# Altium PCB UmTRXv2.PcbDoc (part 18 of 25) (continued)
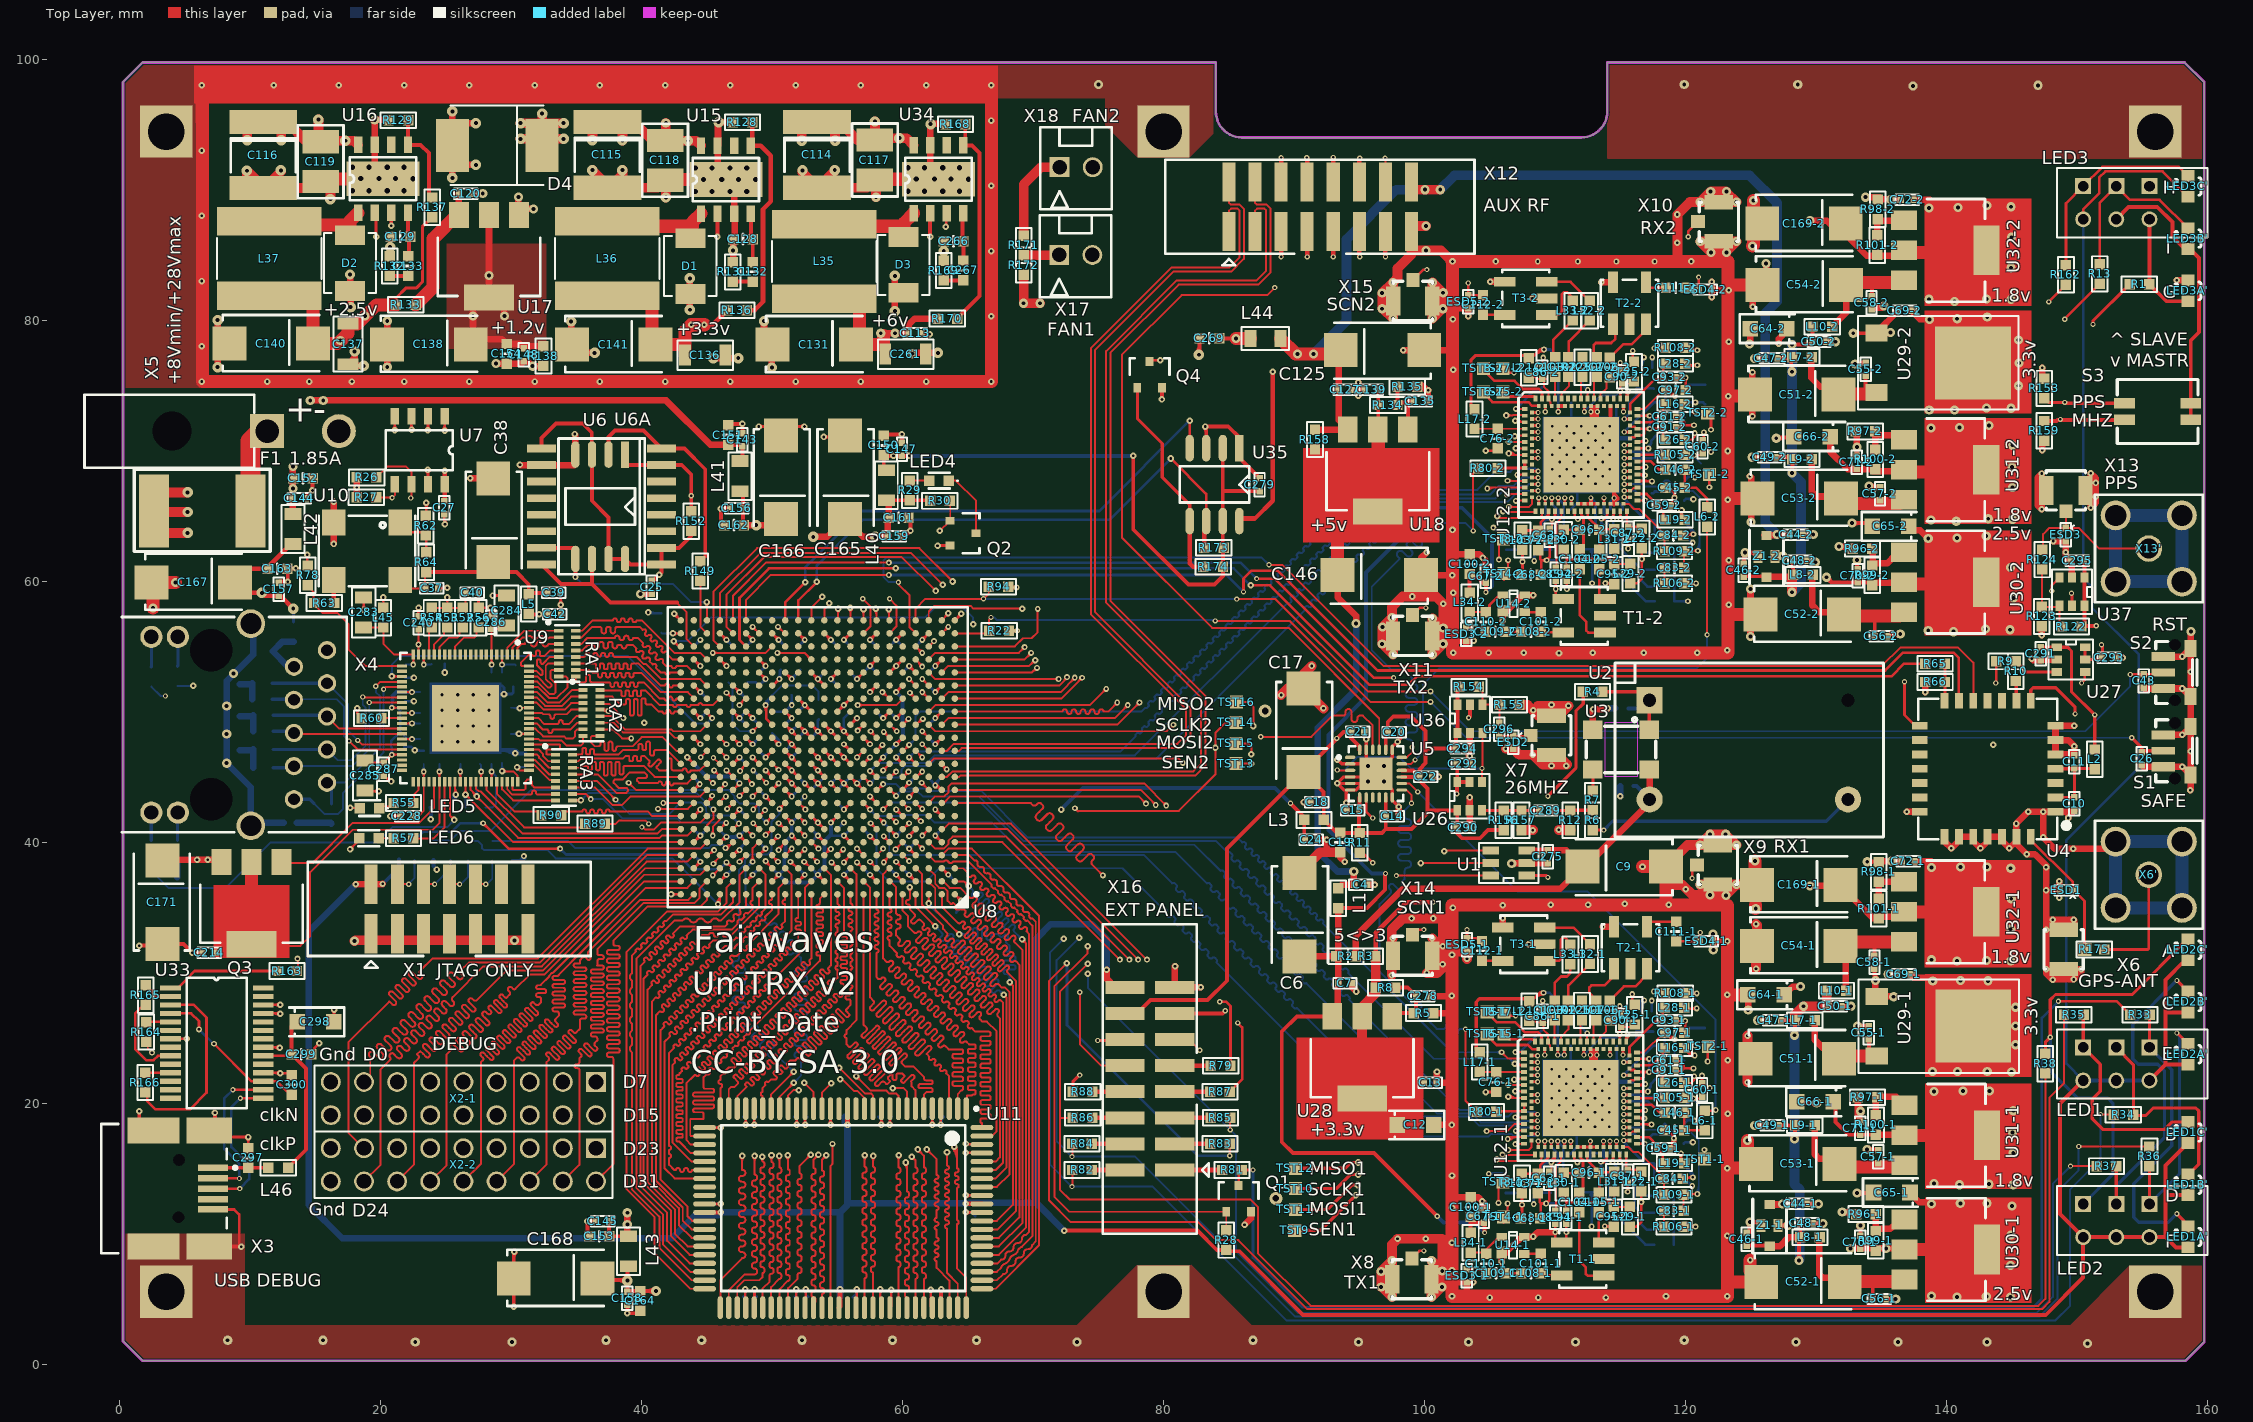
[diagram p0: Top Layer view]
## Nets (pads, with @x,y where several pads share a name; then routed paths per layer and width w, separated by ;. In a path a pad name is that pad's centre, name@x,y a point inside that pad or via, vN(x,y) a via of type N, cw(c..) or ccw(c..) an arc to the next point about the centre after c; other vN are vias at no path point) (continued)
RAM_D24: U8.F13 U11.12 | length 46.9
  Top Layer w0.15: U8.F13@52,41 v2(52.5,40.5) ; 52.299,40.689 ccw(c52.553,40.757) v2(52.5,40.5) ; 52.311,40.701 cw(c52.243,40.447) v2(52.5,40.5) ; v2@52.325,40.5 ccw(c51.903,40.5) 52.201,40.799 ccw(c52.5,41.097) v2@52.5,40.675 ; v1(55.15,22.705) 57.128,20.728 57.419,20.728 57.421,20.725 57.6,20.725 57.725,20.6 U11.12@57.725,19.575 ; 52.244,40.756 cw(c51.988,40.5) 52.35,40.5 ccw(c51.988,40.5) 52.244,40.756 ; 52.244,40.756 ccw(c52.5,41.012) 52.5,40.65 cw(c52.5,41.012) 52.244,40.756 ; v2(52.5,40.5) ccw(c52.17,40.409) 52.259,40.74 cw(c52.17,40.409) v2(52.5,40.5) ; v2(52.5,40.5) cw(c52.591,40.83) 52.26,40.741 ccw(c52.591,40.83) v2(52.5,40.5)
  Mid-Layer 2 w0.15: v2@52.5,40.325 cw(c52.5,39.903) 52.799,40.201 cw(c53.097,40.5) v2@52.675,40.5 ; v1(55.15,22.705) 55.15,23.706 55.369,23.925 ccw(c55.369,24.15) 55.594,24.15 ccw(c55.369,24.15) 55.369,24.375 54.931,24.375 cw(c54.931,24.6) 54.706,24.6 cw(c54.931,24.6) 54.931,24.825 55.369,24.825 ccw(c55.369,25.05) 55.594,25.05 ccw(c55.369,25.05) 55.369,25.275 54.931,25.275 cw(c54.931,25.5) 54.706,25.5 cw(c54.931,25.5) 54.931,25.725 55.369,25.725 ccw(c55.369,25.95) 55.594,25.95 ccw(c55.369,25.95) 55.369,26.175 54.931,26.175 cw(c54.931,26.4) 54.706,26.4 cw(c54.931,26.4) 54.931,26.625 55.369,26.625 ccw(c55.369,26.85) 55.594,26.85 ccw(c55.369,26.85) 55.369,27.075 54.931,27.075 cw(c54.931,27.3) 54.706,27.3 cw(c54.931,27.3) 54.931,27.525 55.369,27.525 ccw(c55.369,27.75) 55.594,27.75 ccw(c55.369,27.75) 55.369,27.975 54.931,27.975 cw(c54.931,28.2) 54.706,28.2 cw(c54.931,28.2) 54.931,28.425 55.369,28.425 ccw(c55.369,28.65) 55.594,28.65 ccw(c55.369,28.65) 55.369,28.875 54.931,28.875 cw(c54.931,29.1) 54.706,29.1 cw(c54.931,29.1) 54.931,29.325 55.369,29.325 ccw(c55.369,29.55) 55.594,29.55 ccw(c55.369,29.55) 55.369,29.775 54.931,29.775 cw(c54.931,30) 54.706,30 cw(c54.931,30) 54.931,30.225 55.369,30.225 ccw(c55.369,30.45) 55.594,30.45 ccw(c55.369,30.45) 55.369,30.675 54.931,30.675 cw(c54.931,30.9) 54.706,30.9 cw(c54.931,30.9) 54.931,31.125 55.369,31.125 ccw(c55.369,31.35) 55.594,31.35 ccw(c55.369,31.35) 55.369,31.575 54.931,31.575 cw(c54.931,31.8) 54.706,31.8 cw(c54.931,31.8) 54.931,32.025 55.369,32.025 ccw(c55.369,32.25) 55.594,32.25 ccw(c55.369,32.25) 55.369,32.475 54.931,32.475 cw(c54.931,32.7) 54.706,32.7 cw(c54.931,32.7) 54.931,32.925 55.369,32.925 ccw(c55.369,33.15) 55.594,33.15 ccw(c55.369,33.15) 55.369,33.375 54.931,33.375 cw(c54.931,33.6) 54.706,33.6 cw(c54.931,33.6) 54.931,33.825 55.375,33.825 ccw(c55.375,34.05) 55.6,34.05 ccw(c55.375,34.05) 55.375,34.275 cw(c55.375,34.5) 55.15,34.5 55.15,34.85 52.95,37.05 52.95,40.05 v2(52.5,40.5) ; v2(52.5,40.5) ccw(c52.83,40.591) 52.741,40.26 cw(c52.83,40.591) v2(52.5,40.5) ; v2(52.5,40.5) cw(c52.409,40.17) 52.74,40.259 ccw(c52.409,40.17) v2(52.5,40.5) ; 52.756,40.244 cw(c53.012,40.5) 52.65,40.5 ccw(c53.012,40.5) 52.756,40.244 ; 52.756,40.244 ccw(c52.5,39.988) 52.5,40.35 cw(c52.5,39.988) 52.756,40.244
RAM_D25: U8.G13 U11.13 | length 47
  Top Layer w0.15: U8.G13@52,42 v2(52.5,41.5) ; 52.299,41.689 ccw(c52.553,41.757) v2(52.5,41.5) ; 52.311,41.701 cw(c52.243,41.447) v2(52.5,41.5) ; v2@52.325,41.5 ccw(c51.903,41.5) 52.201,41.799 ccw(c52.5,42.097) v2@52.5,41.675 ; v1(55.225,21.825) 55.38,21.825 56.28,20.925 56.55,20.925 57.075,20.4 U11.13@57.075,19.575 ; 52.244,41.756 cw(c51.988,41.5) 52.35,41.5 ccw(c51.988,41.5) 52.244,41.756 ; 52.244,41.756 ccw(c52.5,42.012) 52.5,41.65 cw(c52.5,42.012) 52.244,41.756 ; v2(52.5,41.5) ccw(c52.17,41.409) 52.259,41.74 cw(c52.17,41.409) v2(52.5,41.5) ; v2(52.5,41.5) cw(c52.591,41.83) 52.26,41.741 ccw(c52.591,41.83) v2(52.5,41.5)
  Mid-Layer 2 w0.15: v2@52.325,41.5 cw(c51.903,41.5) 52.201,41.201 cw(c52.5,40.903) v2@52.5,41.325 ; v1(55.225,21.825) 54.628,22.422 cw(c54.521,22.529) 54.414,22.636 ccw(c54.307,22.743) 54.2,22.85 54,23.05 54,23.6 53.825,23.775 cw(c53.825,24) 53.6,24 cw(c53.825,24) 53.825,24.225 54.175,24.225 ccw(c54.175,24.45) 54.4,24.45 ccw(c54.175,24.45) 54.175,24.675 53.825,24.675 cw(c53.825,24.9) 53.6,24.9 cw(c53.825,24.9) 53.825,25.125 54.175,25.125 ccw(c54.175,25.35) 54.4,25.35 ccw(c54.175,25.35) 54.175,25.575 53.825,25.575 cw(c53.825,25.8) 53.6,25.8 cw(c53.825,25.8) 53.825,26.025 54.175,26.025 ccw(c54.175,26.25) 54.4,26.25 ccw(c54.175,26.25) 54.175,26.475 53.825,26.475 cw(c53.825,26.7) 53.6,26.7 cw(c53.825,26.7) 53.825,26.925 54.175,26.925 ccw(c54.175,27.15) 54.4,27.15 ccw(c54.175,27.15) 54.175,27.375 53.825,27.375 cw(c53.825,27.6) 53.6,27.6 cw(c53.825,27.6) 53.825,27.825 54.175,27.825 ccw(c54.175,28.05) 54.4,28.05 ccw(c54.175,28.05) 54.175,28.275 53.825,28.275 cw(c53.825,28.5) 53.6,28.5 cw(c53.825,28.5) 53.825,28.725 54.175,28.725 ccw(c54.175,28.95) 54.4,28.95 ccw(c54.175,28.95) 54.175,29.175 53.825,29.175 cw(c53.825,29.4) 53.6,29.4 cw(c53.825,29.4) 53.825,29.625 54.175,29.625 ccw(c54.175,29.85) 54.4,29.85 ccw(c54.175,29.85) 54.175,30.075 53.825,30.075 cw(c53.825,30.3) 53.6,30.3 cw(c53.825,30.3) 53.825,30.525 54.175,30.525 ccw(c54.175,30.75) 54.4,30.75 ccw(c54.175,30.75) 54.175,30.975 53.825,30.975 cw(c53.825,31.2) 53.6,31.2 cw(c53.825,31.2) 53.825,31.425 54.175,31.425 ccw(c54.175,31.65) 54.4,31.65 ccw(c54.175,31.65) 54.175,31.875 53.825,31.875 cw(c53.825,32.1) 53.6,32.1 cw(c53.825,32.1) 53.825,32.325 54.175,32.325 ccw(c54.175,32.55) 54.4,32.55 ccw(c54.175,32.55) 54.175,32.775 53.825,32.775 cw(c53.825,33) 53.6,33 cw(c53.825,33) 53.825,33.225 54.175,33.225 ccw(c54.175,33.45) 54.4,33.45 ccw(c54.175,33.45) 54.175,33.675 53.825,33.675 cw(c53.825,33.9) 53.6,33.9 cw(c53.825,33.9) 53.825,34.125 54.175,34.125 ccw(c54.175,34.35) 54.4,34.35 ccw(c54.175,34.35) 54.175,34.575 cw(c54.175,34.75) 54,34.75 54,35.2 51.95,37.25 51.95,40.95 v2(52.5,41.5) ; 52.244,41.244 cw(c52.5,40.988) 52.5,41.35 ccw(c52.5,40.988) 52.244,41.244 ; 52.244,41.244 ccw(c51.988,41.5) 52.35,41.5 cw(c51.988,41.5) 52.244,41.244 ; v2(52.5,41.5) ccw(c52.591,41.17) 52.26,41.259 cw(c52.591,41.17) v2(52.5,41.5) ; v2(52.5,41.5) cw(c52.17,41.591) 52.259,41.26 ccw(c52.17,41.591) v2(52.5,41.5)
RAM_D26: U8.C6 U11.1 | length 40.5
  Top Layer w0.15: U8.C6@59,38 58.95,38 58.5,37.55 58.5,31.1 58.75,30.85 ccw(c58.862,30.962) 58.973,30.85 58.985,30.862 cw(c59.109,30.738) 59.233,30.862 cw(c59.109,30.738) 59.233,30.615 59.109,30.491 58.985,30.367 ccw(c59.109,30.243) 58.985,30.12 ccw(c59.109,30.243) 59.233,30.12 59.48,30.367 cw(c59.604,30.243) 59.728,30.367 cw(c59.604,30.243) 59.728,30.12 59.48,29.872 ccw(c59.604,29.748) 59.48,29.625 ccw(c59.604,29.748) 59.728,29.625 59.975,29.872 cw(c60.099,29.748) 60.223,29.872 cw(c60.099,29.748) 60.223,29.625 59.975,29.377 ccw(c60.099,29.254) 59.975,29.13 ccw(c60.099,29.254) 60.223,29.13 60.47,29.377 cw(c60.594,29.254) 60.718,29.377 cw(c60.594,29.254) 60.718,29.13 60.47,28.882 ccw(c60.594,28.759) 60.47,28.635 ccw(c60.594,28.759) 60.718,28.635 60.965,28.882 cw(c61.089,28.759) 61.213,28.882 cw(c61.089,28.759) 61.213,28.635 60.965,28.387 ccw(c61.089,28.264) 60.965,28.14 ccw(c61.089,28.264) 61.213,28.14 61.46,28.387 cw(c61.584,28.264) 61.708,28.387 cw(c61.584,28.264) 61.708,28.14 61.46,27.892 ccw(c61.584,27.769) 61.46,27.645 ccw(c61.584,27.769) 61.708,27.645 61.955,27.892 cw(c62.079,27.769) 62.203,27.892 cw(c62.079,27.769) 62.203,27.645 61.955,27.397 ccw(c62.079,27.274) 61.955,27.15 ccw(c62.079,27.274) 62.203,27.15 62.45,27.397 cw(c62.574,27.274) 62.698,27.397 cw(c62.574,27.274) 62.698,27.15 62.574,27.026 62.45,26.902 ccw(c62.574,26.779) 62.45,26.655 ccw(c62.574,26.779) 62.698,26.655 62.945,26.902 cw(c63.069,26.779) 63.193,26.902 cw(c63.069,26.779) 63.193,26.655 62.945,26.407 ccw(c63.069,26.284) 62.945,26.16 ccw(c63.069,26.284) 63.193,26.16 63.44,26.407 cw(c63.564,26.284) 63.688,26.407 cw(c63.564,26.284) 63.688,26.16 63.44,25.912 ccw(c63.564,25.789) 63.44,25.665 ccw(c63.564,25.789) 63.688,25.665 63.935,25.912 cw(c64.059,25.789) 64.183,25.912 cw(c64.059,25.789) 64.183,25.665 63.935,25.417 ccw(c64.059,25.294) 63.935,25.17 ccw(c64.059,25.294) 64.183,25.17 64.43,25.417 cw(c64.554,25.294) 64.678,25.417 cw(c64.554,25.294) 64.678,25.17 64.43,24.922 ccw(c64.554,24.799) 64.43,24.675 ccw(c64.554,24.799) 64.678,24.675 cw(c64.801,24.551) 64.925,24.675 65.1,24.5 65.477,24.5 cw(c65.477,24.377) 65.6,24.377 65.6,24.272 cw(c65.477,24.272) 65.477,24.15 65.122,24.15 ccw(c65.122,24.027) 65,24.027 65,23.922 ccw(c65.122,23.922) 65.122,23.8 65.477,23.8 cw(c65.477,23.677) 65.6,23.677 65.6,23.572 cw(c65.477,23.572) 65.477,23.45 65.122,23.45 ccw(c65.122,23.327) 65,23.327 65,23.222 ccw(c65.122,23.222) 65.122,23.1 65.477,23.1 cw(c65.477,22.977) 65.6,22.977 65.6,22.872 cw(c65.477,22.872) 65.477,22.75 65.122,22.75 ccw(c65.122,22.627) 65,22.627 65,22.522 ccw(c65.122,22.522) 65.122,22.4 65.477,22.4 cw(c65.477,22.277) 65.6,22.277 65.6,22.172 cw(c65.477,22.172) 65.477,22.05 65.122,22.05 ccw(c65.122,21.927) 65,21.927 65,21.822 ccw(c65.122,21.822) 65.122,21.7 65.477,21.7 cw(c65.477,21.577) 65.6,21.577 65.6,21.472 cw(c65.477,21.472) 65.477,21.35 65.122,21.35 ccw(c65.122,21.227) 65,21.227 65,21.122 ccw(c65.122,21.122) 65.122,21 65.477,21 cw(c65.477,20.877) 65.6,20.877 65.6,20.772 cw(c65.477,20.772) 65.477,20.65 65.422,20.65 ccw(c65.422,20.528) 65.355,20.63 65.325,20.6 64.925,20.6 64.925,19.625 U11.1@64.875,19.575
RAM_D27: U8.E14 U11.18 | length 46.1
  Top Layer w0.15: v2@50.5,39.575 ccw(c50.5,39.756) 50.628,39.628 ; v2@50.56,39.538 ccw(c50.608,39.65) 50.687,39.556 ccw(c50.766,39.462) v2@50.646,39.434 ; v2@50.675,39.4 cw(c51.339,39.4) U8.E14@50.869,39.869 ; 50.717,39.648 cw(c50.355,39.745) v2(50.5,39.4) ; U8.E14@51,40 50.5,39.5 v2(50.5,39.4) ; U11.18@53.825,19.575 53.825,20.825 v1(54.525,21.525) ; v2(50.5,39.4) ccw(c50.302,39.827) 50.757,39.705 cw(c50.302,39.827) v2(50.5,39.4) ; v2@50.65,39.4 cw(c51.254,39.4) 50.827,39.827 ccw(c51.254,39.4) v2@50.65,39.4
  Mid-Layer 2 w0.15: v2@50.5,39.225 cw(c50.5,38.803) 50.799,39.101 cw(c51.097,39.4) v2@50.675,39.4 ; v1(54.525,21.525) 53.536,22.514 ccw(c53.43,22.62) 53.324,22.726 53.112,22.938 ccw(c53.006,23.044) 52.9,23.15 52.5,23.55 52.5,24.012 52.713,24.225 ccw(c52.713,24.45) 52.938,24.45 ccw(c52.713,24.45) 52.713,24.675 52.286,24.675 cw(c52.286,24.9) 52.062,24.9 cw(c52.286,24.9) 52.286,25.125 52.713,25.125 ccw(c52.713,25.35) 52.938,25.35 ccw(c52.713,25.35) 52.713,25.575 52.286,25.575 cw(c52.286,25.8) 52.062,25.8 cw(c52.286,25.8) 52.286,26.025 52.713,26.025 ccw(c52.713,26.25) 52.938,26.25 ccw(c52.713,26.25) 52.713,26.475 52.286,26.475 cw(c52.286,26.7) 52.062,26.7 cw(c52.286,26.7) 52.286,26.925 52.713,26.925 ccw(c52.713,27.15) 52.938,27.15 ccw(c52.713,27.15) 52.713,27.375 52.286,27.375 cw(c52.286,27.6) 52.062,27.6 cw(c52.286,27.6) 52.286,27.825 52.713,27.825 ccw(c52.713,28.05) 52.938,28.05 ccw(c52.713,28.05) 52.713,28.275 52.287,28.275 cw(c52.287,28.5) 52.062,28.5 cw(c52.287,28.5) 52.287,28.725 52.713,28.725 ccw(c52.713,28.95) 52.938,28.95 ccw(c52.713,28.95) 52.713,29.175 52.287,29.175 cw(c52.287,29.4) 52.062,29.4 cw(c52.287,29.4) 52.287,29.625 52.713,29.625 ccw(c52.713,29.85) 52.938,29.85 ccw(c52.713,29.85) 52.713,30.075 52.287,30.075 cw(c52.287,30.3) 52.062,30.3 cw(c52.287,30.3) 52.287,30.525 52.713,30.525 ccw(c52.713,30.75) 52.938,30.75 ccw(c52.713,30.75) 52.713,30.975 52.287,30.975 cw(c52.287,31.2) 52.062,31.2 cw(c52.287,31.2) 52.287,31.425 52.713,31.425 ccw(c52.713,31.65) 52.938,31.65 ccw(c52.713,31.65) 52.713,31.875 52.287,31.875 cw(c52.287,32.1) 52.062,32.1 cw(c52.287,32.1) 52.287,32.325 52.713,32.325 ccw(c52.713,32.55) 52.938,32.55 ccw(c52.713,32.55) 52.713,32.775 52.287,32.775 cw(c52.287,33) 52.062,33 cw(c52.287,33) 52.287,33.225 52.713,33.225 ccw(c52.713,33.45) 52.938,33.45 ccw(c52.713,33.45) 52.713,33.675 52.287,33.675 cw(c52.287,33.9) 52.062,33.9 cw(c52.287,33.9) 52.287,34.125 52.713,34.125 ccw(c52.713,34.35) 52.938,34.35 ccw(c52.713,34.35) 52.713,34.575 52.287,34.575 cw(c52.287,34.8) 52.062,34.8 cw(c52.287,34.8) 52.287,35.025 52.725,35.025 ccw(c52.725,35.25) 52.95,35.25 ccw(c52.725,35.25) 52.725,35.475 cw(c52.725,35.7) 52.5,35.7 52.5,36.346 50.95,37.896 50.95,38.95 v2(50.5,39.4) ; v2(50.5,39.4) cw(c50.409,39.07) 50.74,39.159 ccw(c50.409,39.07) v2(50.5,39.4) ; v2(50.5,39.4) ccw(c50.83,39.491) 50.741,39.16 cw(c50.83,39.491) v2(50.5,39.4) ; 50.756,39.144 cw(c51.012,39.4) 50.65,39.4 ccw(c51.012,39.4) 50.756,39.144 ; 50.756,39.144 ccw(c50.5,38.888) 50.5,39.25 cw(c50.5,38.888) 50.756,39.144
RAM_D28: U8.F14 U11.19 | length 46.7
  Top Layer w0.15: v2@50.5,41.275 cw(c50.5,40.732) U8.F14@50.884,41.116 ; v2@50.675,41.45 ccw(c50.977,41.45) 50.763,41.237 ; 50.719,41.241 cw(c50.8,41.546) v2(50.5,41.45) ; U8.F14@51,41 50.55,41.45 v2(50.5,41.45) ; v1(52.45,21.55) 53.175,20.825 U11.19@53.175,19.575 ; v2(50.5,41.45) cw(c50.453,41.166) 50.731,41.241 ccw(c50.453,41.166) v2(50.5,41.45) ; v2(50.5,41.45) ccw(c50.877,41.591) 50.773,41.202 cw(c50.877,41.591) v2(50.5,41.45) ; v2@50.5,41.3 cw(c50.5,40.817) 50.841,41.159 ccw(c50.5,40.817) v2@50.5,41.3 ; v2@50.65,41.45 ccw(c50.891,41.45) 50.721,41.279 cw(c50.891,41.45) v2@50.65,41.45
  Mid-Layer 2 w0.15: v2@50.325,41.45 cw(c49.903,41.45) 50.201,41.151 cw(c50.5,40.853) v2@50.5,41.275 ; v2@50.6,41.45 v2(50.5,41.45) ; v1(52.45,21.55) 52.45,22.45 52.074,22.826 ccw(c51.968,22.932) 51.862,23.038 51.65,23.25 ccw(c51.544,23.356) 51.437,23.463 50.95,23.95 50.95,25 50.725,25.225 cw(c50.725,25.45) 50.5,25.45 cw(c50.725,25.45) 50.725,25.675 51.175,25.675 ccw(c51.175,25.9) 51.4,25.9 ccw(c51.175,25.9) 51.175,26.125 50.725,26.125 cw(c50.725,26.35) 50.5,26.35 cw(c50.725,26.35) 50.725,26.575 51.175,26.575 ccw(c51.175,26.8) 51.4,26.8 ccw(c51.175,26.8) 51.175,27.025 50.725,27.025 cw(c50.725,27.25) 50.5,27.25 cw(c50.725,27.25) 50.725,27.475 51.175,27.475 ccw(c51.175,27.7) 51.4,27.7 ccw(c51.175,27.7) 51.175,27.925 50.725,27.925 cw(c50.725,28.15) 50.5,28.15 cw(c50.725,28.15) 50.725,28.375 51.175,28.375 ccw(c51.175,28.6) 51.4,28.6 ccw(c51.175,28.6) 51.175,28.825 50.725,28.825 cw(c50.725,29.05) 50.5,29.05 cw(c50.725,29.05) 50.725,29.275 51.175,29.275 ccw(c51.175,29.5) 51.4,29.5 ccw(c51.175,29.5) 51.175,29.725 50.725,29.725 cw(c50.725,29.95) 50.5,29.95 cw(c50.725,29.95) 50.725,30.175 51.175,30.175 ccw(c51.175,30.4) 51.4,30.4 ccw(c51.175,30.4) 51.175,30.625 50.725,30.625 cw(c50.725,30.85) 50.5,30.85 cw(c50.725,30.85) 50.725,31.075 51.175,31.075 ccw(c51.175,31.3) 51.4,31.3 ccw(c51.175,31.3) 51.175,31.525 50.725,31.525 cw(c50.725,31.75) 50.5,31.75 cw(c50.725,31.75) 50.725,31.975 51.175,31.975 ccw(c51.175,32.2) 51.4,32.2 ccw(c51.175,32.2) 51.175,32.425 50.725,32.425 cw(c50.725,32.65) 50.5,32.65 cw(c50.725,32.65) 50.725,32.875 51.175,32.875 ccw(c51.175,33.1) 51.4,33.1 ccw(c51.175,33.1) 51.175,33.325 50.725,33.325 cw(c50.725,33.55) 50.5,33.55 cw(c50.725,33.55) 50.725,33.775 51.175,33.775 ccw(c51.175,34) 51.4,34 ccw(c51.175,34) 51.175,34.225 50.725,34.225 cw(c50.725,34.45) 50.5,34.45 cw(c50.725,34.45) 50.725,34.675 51.175,34.675 ccw(c51.175,34.9) 51.4,34.9 ccw(c51.175,34.9) 51.175,35.125 cw(c51.175,35.35) 50.95,35.35 50.95,35.75 49.95,36.75 49.95,40.9 v2(50.5,41.45) ; 50.244,41.194 cw(c50.5,40.938) 50.5,41.3 ccw(c50.5,40.938) 50.244,41.194 ; 50.244,41.194 ccw(c49.988,41.45) 50.35,41.45 cw(c49.988,41.45) 50.244,41.194 ; v2(50.5,41.45) ccw(c50.591,41.12) 50.26,41.209 cw(c50.591,41.12) v2(50.5,41.45) ; v2(50.5,41.45) cw(c50.17,41.541) 50.259,41.21 ccw(c50.17,41.541) v2(50.5,41.45)
RAM_D29: U8.F15 U11.22 | length 46.6
  Top Layer w0.15: v2@49.5,40.725 ccw(c49.5,41.268) U8.F15@49.884,40.884 ; v2@49.675,40.55 cw(c49.977,40.55) 49.763,40.763 ; 49.719,40.759 ccw(c49.8,40.454) v2(49.5,40.55) ; U8.F15@50,41 49.55,40.55 v2(49.5,40.55) ; U11.22@51.225,19.575 51.225,20.6 51.625,21 v1(52.025,21) ; v2(49.5,40.55) ccw(c49.453,40.834) 49.731,40.759 cw(c49.453,40.834) v2(49.5,40.55) ; v2(49.5,40.55) cw(c49.877,40.409) 49.773,40.798 ccw(c49.877,40.409) v2(49.5,40.55) ; v2@49.5,40.7 ccw(c49.5,41.183) 49.841,40.841 cw(c49.5,41.183) v2@49.5,40.7 ; v2@49.65,40.55 cw(c49.891,40.55) 49.721,40.721 ccw(c49.891,40.55) v2@49.65,40.55
  Mid-Layer 2 w0.15: v2@49.325,40.55 cw(c48.903,40.55) 49.201,40.251 cw(c49.5,39.953) v2@49.5,40.375 ; v1(52.025,21) 51.599,21 49.598,23.001 cw(c49.492,23.107) 49.386,23.213 49,23.599 49,24.757 49.218,24.975 ccw(c49.218,25.2) 49.443,25.2 ccw(c49.218,25.2) 49.218,25.425 48.782,25.425 cw(c48.782,25.65) 48.557,25.65 cw(c48.782,25.65) 48.782,25.875 49.218,25.875 ccw(c49.218,26.1) 49.443,26.1 ccw(c49.218,26.1) 49.218,26.325 48.782,26.325 cw(c48.782,26.55) 48.557,26.55 cw(c48.782,26.55) 48.782,26.775 49.218,26.775 ccw(c49.218,27) 49.443,27 ccw(c49.218,27) 49.218,27.225 48.782,27.225 cw(c48.782,27.45) 48.557,27.45 cw(c48.782,27.45) 48.782,27.675 49.218,27.675 ccw(c49.218,27.9) 49.443,27.9 ccw(c49.218,27.9) 49.218,28.125 48.782,28.125 cw(c48.782,28.35) 48.557,28.35 cw(c48.782,28.35) 48.782,28.575 49.218,28.575 ccw(c49.218,28.8) 49.443,28.8 ccw(c49.218,28.8) 49.218,29.025 48.782,29.025 cw(c48.782,29.25) 48.557,29.25 cw(c48.782,29.25) 48.782,29.475 49.218,29.475 ccw(c49.218,29.7) 49.443,29.7 ccw(c49.218,29.7) 49.218,29.925 48.782,29.925 cw(c48.782,30.15) 48.557,30.15 cw(c48.782,30.15) 48.782,30.375 49.218,30.375 ccw(c49.218,30.6) 49.443,30.6 ccw(c49.218,30.6) 49.218,30.825 48.782,30.825 cw(c48.782,31.05) 48.557,31.05 cw(c48.782,31.05) 48.782,31.275 49.218,31.275 ccw(c49.218,31.5) 49.443,31.5 ccw(c49.218,31.5) 49.218,31.725 48.782,31.725 cw(c48.782,31.95) 48.557,31.95 cw(c48.782,31.95) 48.782,32.175 49.218,32.175 ccw(c49.218,32.4) 49.443,32.4 ccw(c49.218,32.4) 49.218,32.625 48.782,32.625 cw(c48.782,32.85) 48.557,32.85 cw(c48.782,32.85) 48.782,33.075 49.218,33.075 ccw(c49.218,33.3) 49.443,33.3 ccw(c49.218,33.3) 49.218,33.525 48.782,33.525 cw(c48.782,33.75) 48.557,33.75 cw(c48.782,33.75) 48.782,33.975 49.218,33.975 ccw(c49.218,34.2) 49.443,34.2 ccw(c49.218,34.2) 49.218,34.425 48.782,34.425 cw(c48.782,34.65) 48.557,34.65 cw(c48.782,34.65) 48.782,34.875 49.218,34.875 ccw(c49.218,35.1) 49.443,35.1 ccw(c49.218,35.1) 49.224,35.325 ; 49.219,35.325 cw(c49.225,35.55) 49,35.55 49,40.05 v2(49.5,40.55) ; 49.219,35.325 cw(c49.218,35.1) 49.224,35.325 ; 49.219,35.325 ccw(c49.225,35.55) 49.224,35.325 ; 49.219,35.325 49.224,35.325 ; 49.244,40.294 cw(c49.5,40.038) 49.5,40.4 ccw(c49.5,40.038) 49.244,40.294 ; 49.244,40.294 ccw(c48.988,40.55) 49.35,40.55 cw(c48.988,40.55) 49.244,40.294 ; v2(49.5,40.55) ccw(c49.591,40.22) 49.26,40.309 cw(c49.591,40.22) v2(49.5,40.55) ; v2(49.5,40.55) cw(c49.17,40.641) 49.259,40.31 ccw(c49.17,40.641) v2(49.5,40.55)
RAM_D30: U8.E16 U11.23 | length 51.5
  Top Layer w0.15: v2@48.376,38.624 ccw(c48.078,38.922) 48.5,38.922 ccw(c48.922,38.922) v2@48.624,38.624 ; v2(48.5,38.5) 48.5,39.55 U8.E16@48.975,40.025 ; U11.23@50.575,19.575 50.575,20.475 v1(51.65,21.55) ; 48.5,38.862 cw(c48.138,38.862) 48.394,38.606 ccw(c48.138,38.862) 48.5,38.862 ; 48.5,38.862 ccw(c48.862,38.862) 48.606,38.606 cw(c48.862,38.862) 48.5,38.862 ; 51.351,21.251 cw(c51.65,20.953) v1@51.65,21.375 ; 51.351,21.251 ccw(c51.053,21.55) v1@51.475,21.55 ; 51.351,21.251 ccw(c51.053,21.55) v1@51.475,21.55 ; 51.351,21.251 cw(c51.65,20.953) v1@51.65,21.375 ; 51.351,21.251 ccw(c51.053,21.55) v1@51.475,21.55 ; 51.351,21.251 cw(c51.65,20.953) v1@51.65,21.375 ; 51.39,21.305 ccw(c51.306,21.62) v1@51.626,21.555 ; 51.39,21.305 ccw(c51.306,21.62) v1@51.626,21.555 ; 51.39,21.305 ccw(c51.306,21.62) v1@51.626,21.555 ; 51.405,21.29 cw(c51.72,21.206) v1@51.655,21.526 ; 51.405,21.29 cw(c51.72,21.206) v1@51.655,21.526 ; 51.405,21.29 cw(c51.72,21.206) v1@51.655,21.526
  Bottom Layer w0.15: v2@48.325,38.5 cw(c47.903,38.5) 48.201,38.201 cw(c48.5,37.903) v2@48.5,38.325 ; v1(51.65,21.55) 52.2,22.1 52.2,23.25 ccw(c51.975,23.25) 51.975,23.475 51.933,23.475 cw(c51.933,23.7) 51.708,23.7 cw(c51.933,23.7) 51.933,23.925 52.467,23.925 ccw(c52.467,24.15) 52.692,24.15 ccw(c52.467,24.15) 52.467,24.375 51.933,24.375 cw(c51.933,24.6) 51.708,24.6 cw(c51.933,24.6) 51.933,24.825 52.467,24.825 ccw(c52.467,25.05) 52.692,25.05 ccw(c52.467,25.05) 52.467,25.275 51.933,25.275 cw(c51.933,25.5) 51.708,25.5 cw(c51.933,25.5) 51.933,25.725 52.467,25.725 ccw(c52.467,25.95) 52.692,25.95 ccw(c52.467,25.95) 52.467,26.175 51.933,26.175 cw(c51.933,26.4) 51.708,26.4 cw(c51.933,26.4) 51.933,26.625 52.467,26.625 ccw(c52.467,26.85) 52.692,26.85 ccw(c52.467,26.85) 52.467,27.075 51.933,27.075 cw(c51.933,27.3) 51.708,27.3 cw(c51.933,27.3) 51.933,27.525 52.467,27.525 ccw(c52.467,27.75) 52.692,27.75 ccw(c52.467,27.75) 52.467,27.975 51.933,27.975 cw(c51.933,28.2) 51.708,28.2 cw(c51.933,28.2) 51.933,28.425 52.467,28.425 ccw(c52.467,28.65) 52.692,28.65 ccw(c52.467,28.65) 52.467,28.875 51.933,28.875 cw(c51.933,29.1) 51.708,29.1 cw(c51.933,29.1) 51.933,29.325 52.467,29.325 ccw(c52.467,29.55) 52.692,29.55 ccw(c52.467,29.55) 52.467,29.775 51.933,29.775 cw(c51.933,30) 51.708,30 cw(c51.933,30) 51.933,30.225 52.467,30.225 ccw(c52.467,30.45) 52.692,30.45 ccw(c52.467,30.45) 52.467,30.675 52.425,30.675 cw(c52.425,30.9) 52.2,30.9 52.2,31.15 51.882,31.468 ccw(c51.723,31.309) 51.564,31.468 51.534,31.439 cw(c51.375,31.598) 51.216,31.439 cw(c51.375,31.598) 51.216,31.757 51.405,31.945 51.593,32.134 ccw(c51.434,32.293) 51.593,32.452 ccw(c51.434,32.293) 51.275,32.452 51.086,32.264 50.898,32.075 cw(c50.739,32.234) 50.58,32.075 cw(c50.739,32.234) 50.58,32.393 50.768,32.582 50.957,32.77 ccw(c50.797,32.929) 50.957,33.089 ccw(c50.797,32.929) 50.638,33.089 50.45,32.9 50.261,32.712 cw(c50.102,32.871) 49.943,32.712 cw(c50.102,32.871) 49.943,33.03 50.132,33.218 50.32,33.407 ccw(c50.161,33.566) 50.32,33.725 ccw(c50.161,33.566) 50.002,33.725 49.973,33.696 cw(c49.814,33.855) 49.654,33.696 47.95,35.4 47.95,37.95 v2(48.5,38.5) ; 48.244,38.244 cw(c48.5,37.988) 48.5,38.35 ccw(c48.5,37.988) 48.244,38.244 ; 48.244,38.244 ccw(c47.988,38.5) 48.35,38.5 cw(c47.988,38.5) 48.244,38.244 ; v2(48.5,38.5) ccw(c48.591,38.17) 48.26,38.259 cw(c48.591,38.17) v2(48.5,38.5) ; v2(48.5,38.5) cw(c48.17,38.591) 48.259,38.26 ccw(c48.17,38.591) v2(48.5,38.5) ; v1@51.65,21.725 ccw(c51.65,22.147) 51.949,21.849 ; v1@51.65,21.725 ccw(c51.65,22.147) 51.949,21.849 ; v1@51.65,21.725 ccw(c51.65,22.147) 51.949,21.849 ; v1@51.825,21.55 cw(c52.247,21.55) 51.949,21.849 ; v1@51.825,21.55 cw(c52.247,21.55) 51.949,21.849 ; v1@51.825,21.55 cw(c52.247,21.55) 51.949,21.849
RAM_D31: U8.H14 U11.24 | length 52
  Top Layer w0.15: U11.24@49.925,19.575 49.925,20.675 v1(51.65,22.4) ; v2@50.55,42.65 v2(50.55,42.55) ; v2@50.55,42.725 ccw(c50.55,43.147) 50.849,42.849 ccw(c51.147,42.55) v2@50.725,42.55 ; 50.739,42.751 ccw(c50.807,42.497) v2(50.55,42.55) ; 50.751,42.739 cw(c50.497,42.807) v2(50.55,42.55) ; U8.H14@51,43 v2(50.55,42.55) ; v2(50.55,42.55) ccw(c50.459,42.88) 50.79,42.791 cw(c50.459,42.88) v2(50.55,42.55) ; v2(50.55,42.55) cw(c50.88,42.459) 50.791,42.79 ccw(c50.88,42.459) v2(50.55,42.55) ; 50.806,42.806 cw(c50.55,43.062) 50.55,42.7 ccw(c50.55,43.062) 50.806,42.806 ; 50.806,42.806 ccw(c51.062,42.55) 50.7,42.55 cw(c51.062,42.55) 50.806,42.806 ; 51.351,22.101 cw(c51.65,21.803) v1@51.65,22.225 ; 51.351,22.101 ccw(c51.053,22.4) v1@51.475,22.4 ; 51.351,22.101 ccw(c51.053,22.4) v1@51.475,22.4 ; 51.351,22.101 cw(c51.65,21.803) v1@51.65,22.225 ; 51.351,22.101 ccw(c51.053,22.4) v1@51.475,22.4 ; 51.351,22.101 cw(c51.65,21.803) v1@51.65,22.225 ; 51.39,22.155 ccw(c51.306,22.47) v1@51.626,22.405 ; 51.39,22.155 ccw(c51.306,22.47) v1@51.626,22.405 ; 51.39,22.155 ccw(c51.306,22.47) v1@51.626,22.405 ; 51.405,22.14 cw(c51.72,22.056) v1@51.655,22.376 ; 51.405,22.14 cw(c51.72,22.056) v1@51.655,22.376 ; 51.405,22.14 cw(c51.72,22.056) v1@51.655,22.376
  Bottom Layer w0.15: 49.675,39.075 49.65,39.05 48.325,39.05 47.925,38.65 47.925,38.324 47.45,37.849 47.45,31.1 cw(c47.225,31.1) 47.225,30.875 47.191,30.875 ccw(c47.191,30.65) 46.966,30.65 ccw(c47.191,30.65) 47.191,30.425 47.709,30.425 cw(c47.709,30.2) 47.934,30.2 cw(c47.709,30.2) 47.709,29.975 47.191,29.975 ccw(c47.191,29.75) 46.966,29.75 ccw(c47.191,29.75) 47.191,29.525 47.709,29.525 cw(c47.709,29.3) 47.934,29.3 cw(c47.709,29.3) 47.709,29.075 47.191,29.075 ccw(c47.191,28.85) 46.966,28.85 ccw(c47.191,28.85) 47.191,28.625 47.709,28.625 cw(c47.709,28.4) 47.934,28.4 cw(c47.709,28.4) 47.709,28.175 47.191,28.175 ccw(c47.191,27.95) 46.966,27.95 ccw(c47.191,27.95) 47.191,27.725 47.709,27.725 cw(c47.709,27.5) 47.934,27.5 cw(c47.709,27.5) 47.709,27.275 47.675,27.275 ccw(c47.675,27.05) 47.45,27.05 47.45,26.6 47.55,26.5 ccw(c47.709,26.659) 47.868,26.5 47.892,26.524 cw(c48.051,26.365) 48.21,26.524 cw(c48.051,26.365) 48.21,26.206 48.027,26.023 47.844,25.84 ccw(c48.003,25.681) 47.844,25.522 ccw(c48.003,25.681) 48.162,25.522 48.345,25.705 48.528,25.888 cw(c48.687,25.729) 48.847,25.888 cw(c48.687,25.729) 48.847,25.57 48.664,25.386 48.48,25.203 ccw(c48.64,25.044) 48.48,24.885 ccw(c48.64,25.044) 48.799,24.885 48.982,25.068 49.165,25.251 cw(c49.324,25.092) 49.483,25.251 cw(c49.324,25.092) 49.483,24.933 49.3,24.75 49.117,24.567 ccw(c49.276,24.408) 49.117,24.249 ccw(c49.276,24.408) 49.435,24.249 49.618,24.432 49.801,24.615 cw(c49.96,24.456) 50.119,24.615 cw(c49.96,24.456) 50.119,24.297 49.936,24.114 49.753,23.931 ccw(c49.912,23.772) 49.753,23.612 ccw(c49.912,23.772) 50.071,23.612 50.255,23.795 v1(51.65,22.4) ; 49.676,39.075 49.95,39.349 49.95,41.546 50.55,42.146 ; v2@50.43,42.422 cw(c50.172,42.146) 50.55,42.146 ; v2(50.55,42.55) 50.55,42.146 ; v2@50.67,42.422 ccw(c50.928,42.146) 50.55,42.146 ; 50.55,42.188 cw(c50.912,42.188) 50.656,42.444 ccw(c50.912,42.188) 50.55,42.188 ; 50.55,42.188 ccw(c50.188,42.188) 50.444,42.444 cw(c50.188,42.188) 50.55,42.188 ; 51.351,22.699 cw(c51.053,22.4) v1@51.475,22.4 ; 51.351,22.699 ccw(c51.65,22.997) v1@51.65,22.575 ; 51.351,22.699 ccw(c51.65,22.997) v1@51.65,22.575 ; 51.351,22.699 cw(c51.053,22.4) v1@51.475,22.4 ; 51.351,22.699 ccw(c51.65,22.997) v1@51.65,22.575 ; 51.351,22.699 cw(c51.053,22.4) v1@51.475,22.4